# Altium PCB Rectifire_(PFC).PcbDoc (part 1 of 2)
Units mil, origin at the board's own origin, x right, y up, seen from the top; angles counter-clockwise.
Board outline 3547.43 x 2765.94 mil, 2 copper layers (Top Layer, Bottom Layer); 141 components, 87 nets, 386 pads, 71 vias.
Unrouted connection lines stored in the file: 1.
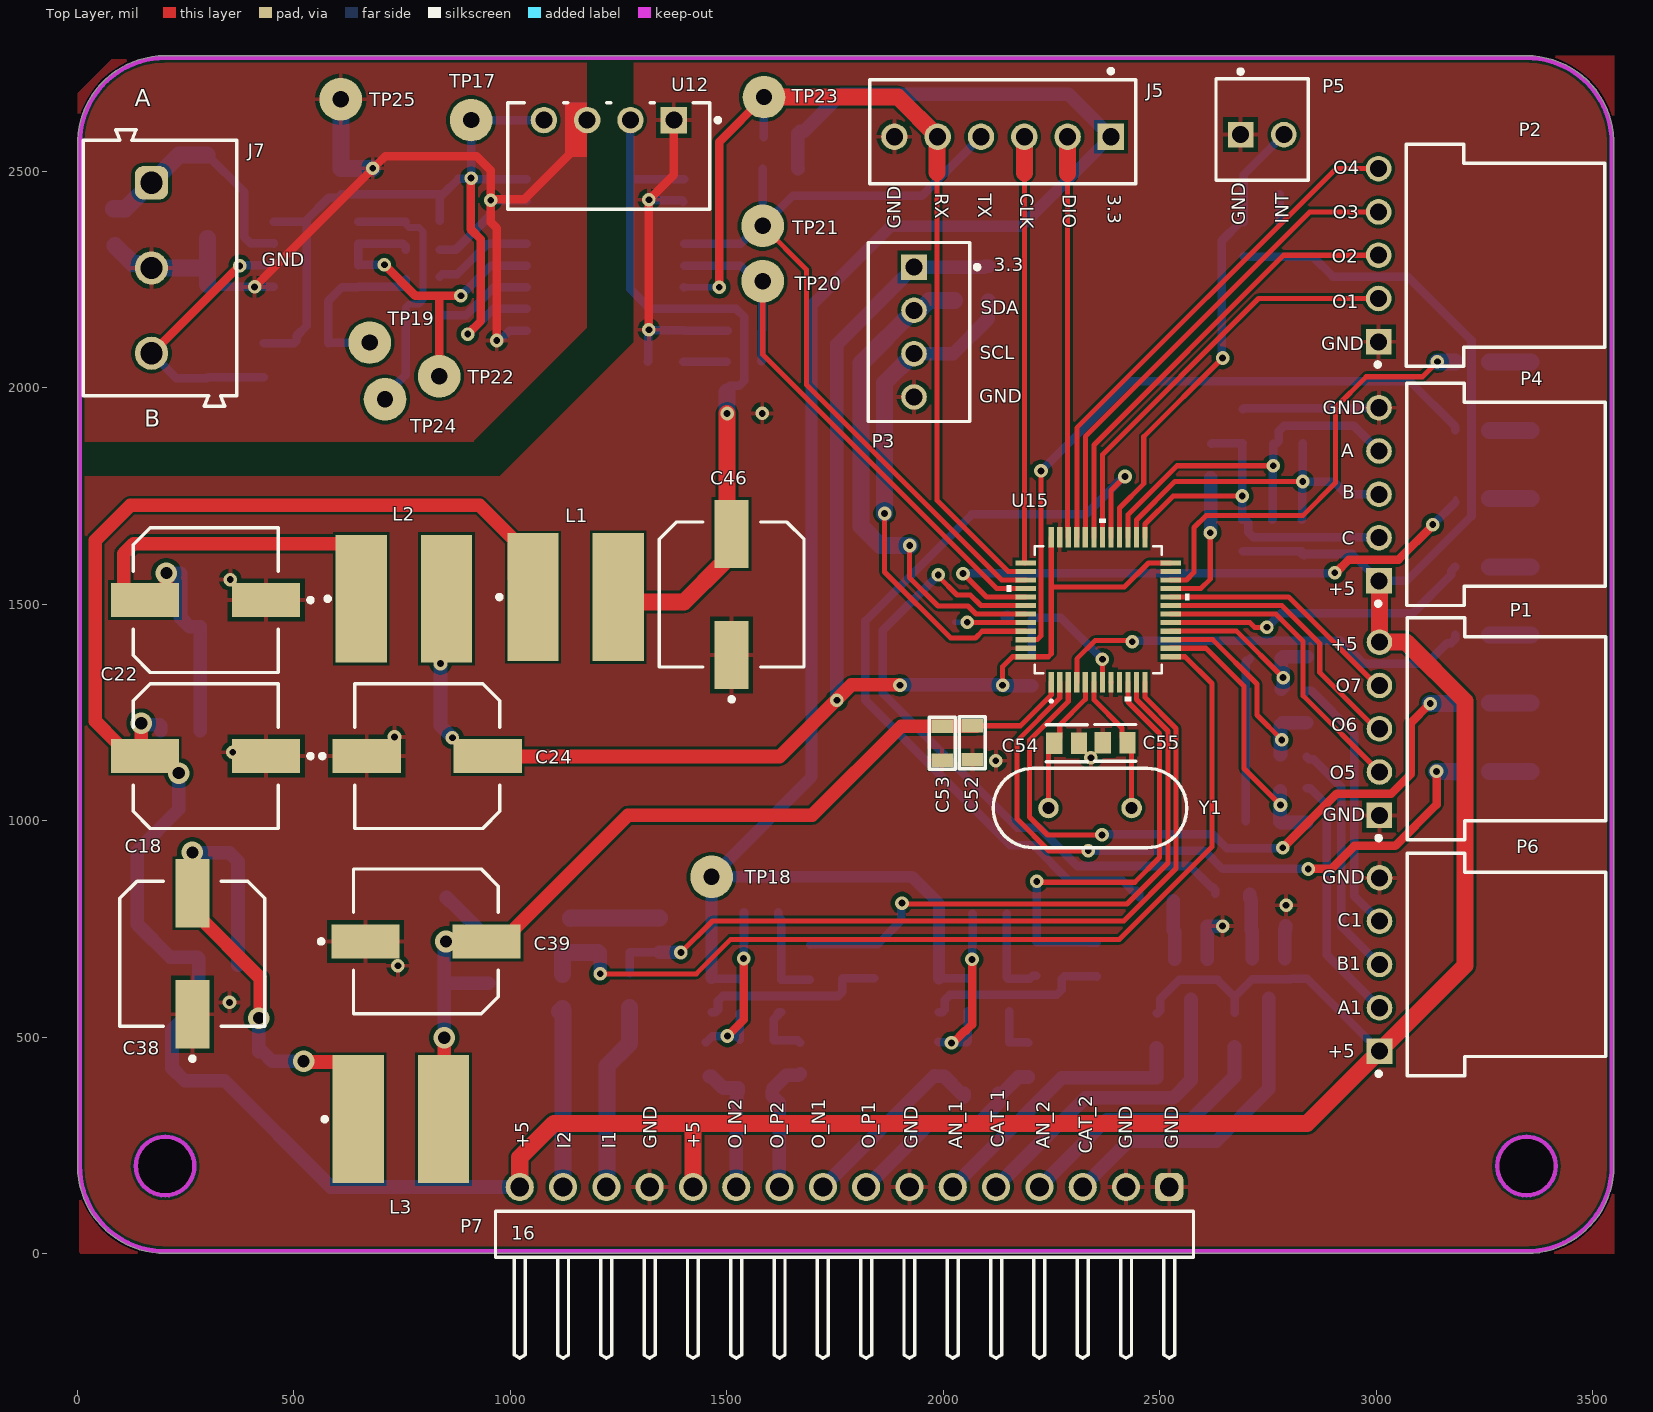
[diagram p0: Top Layer view]
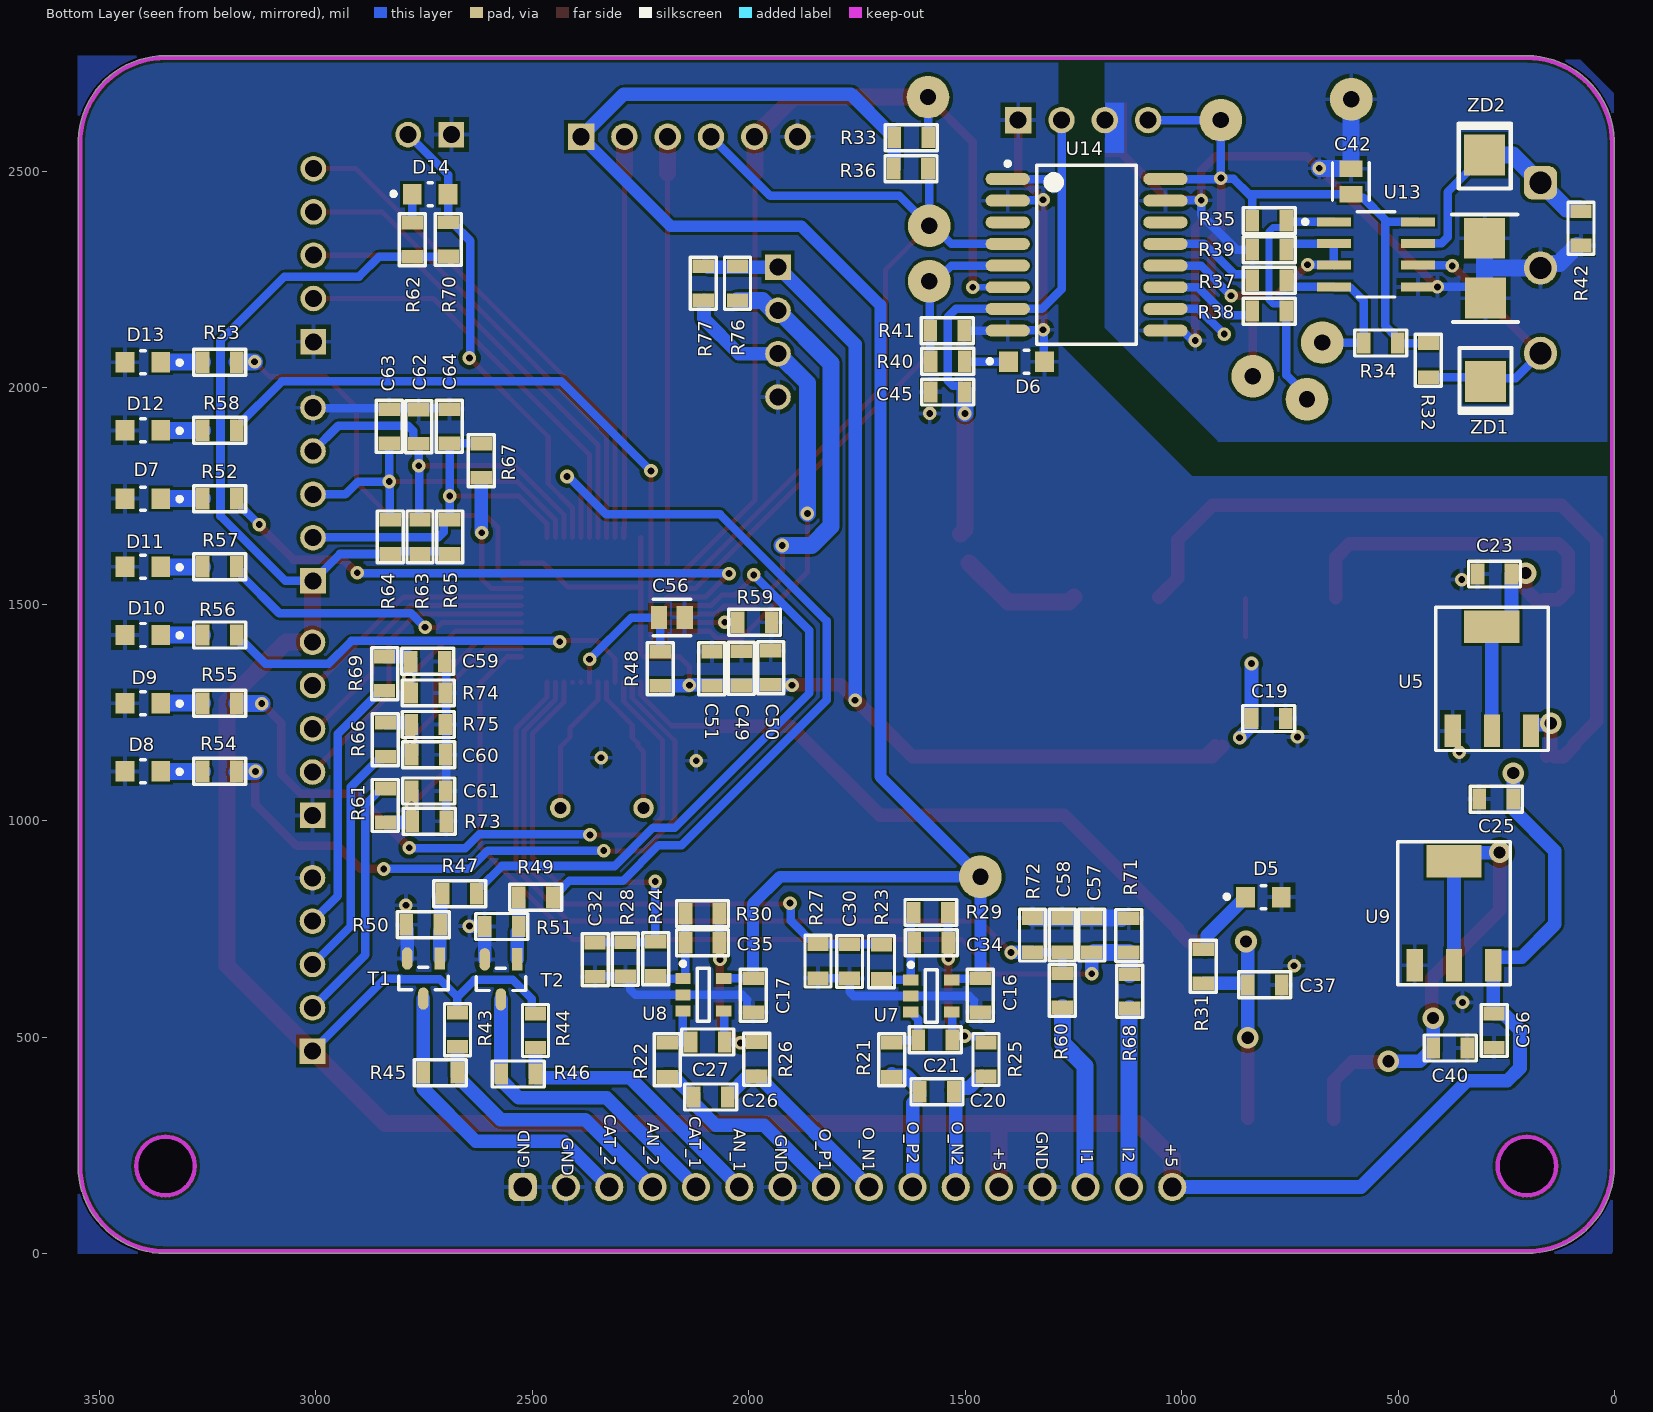
[diagram p1: Bottom Layer view, seen from below]
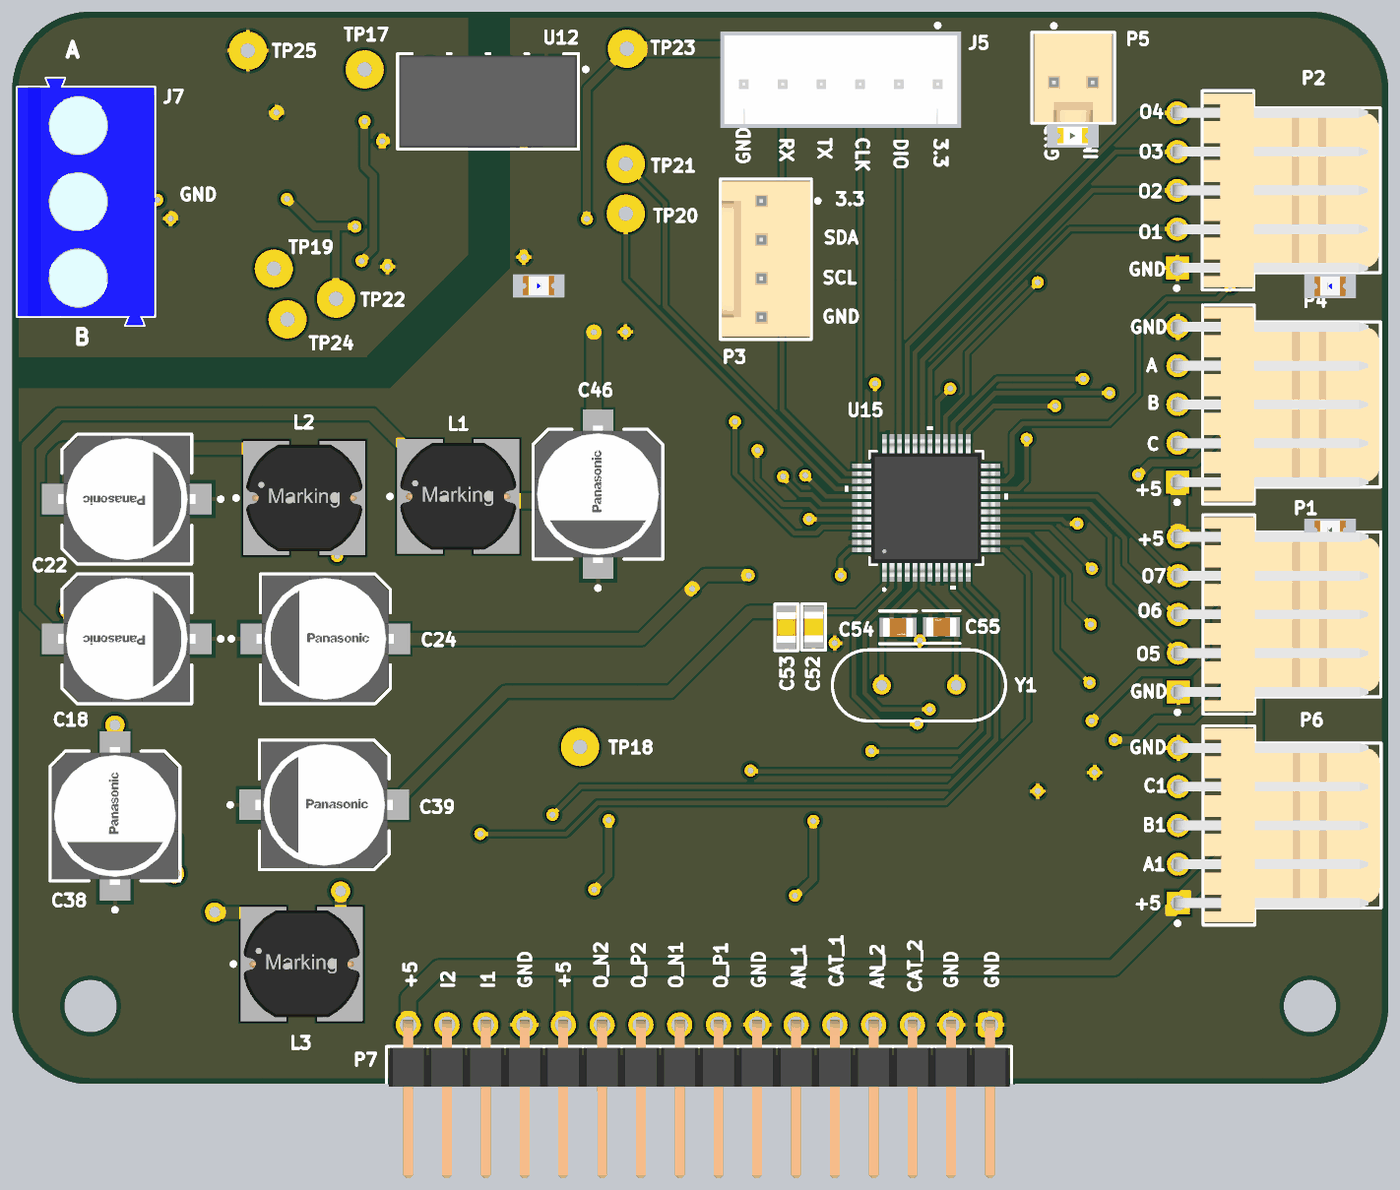
[diagram p3: 3D render of the assembled board from above, using the file's embedded part models]
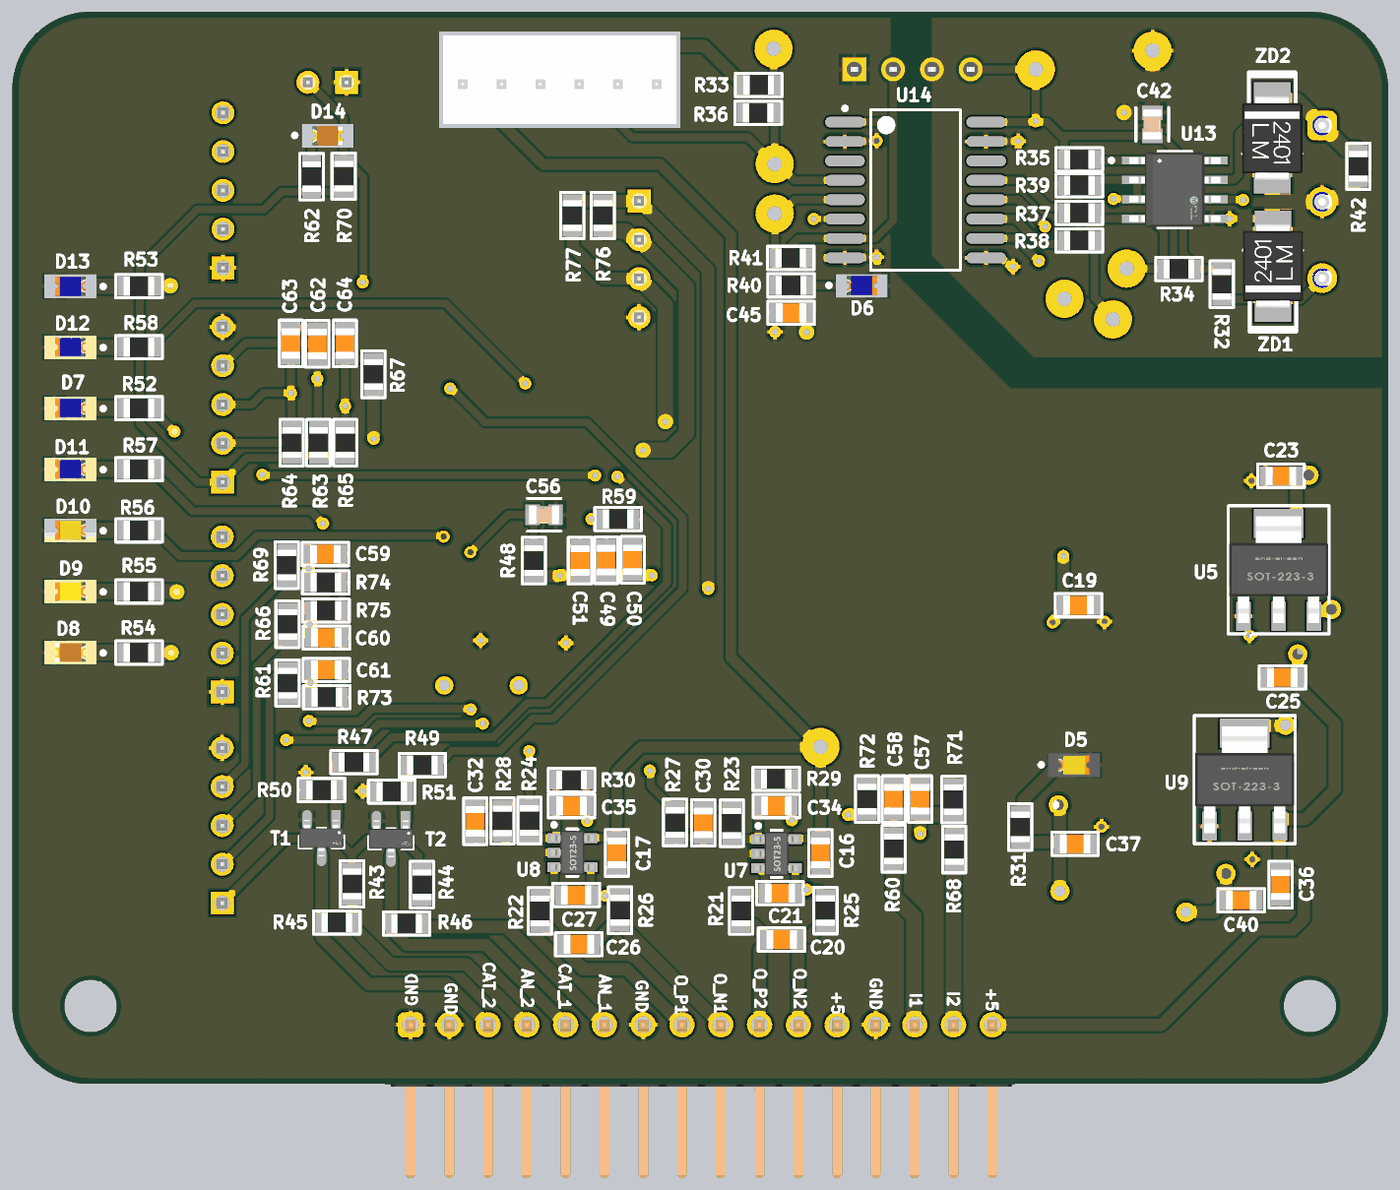
[diagram p4: 3D render of the assembled board from below, using the file's embedded part models]

## Layer stack, top to bottom
Top Solder: solder mask 0.4, Solder Resist, Dk 3.5
Top Layer: signal copper 1.4
Dielectric 1: dielectric 12.6, FR-4, Dk 4.8
Bottom Layer: signal copper 1.4
Bottom Solder: solder mask 0.4, Solder Resist, Dk 3.5

## Board outline
0.89,202.76 0.89,2564.86 0.89,2570.87 1.01,2571.96 cw(c202.76,2564.96) 202.76,2766.83 3346.46,2766.83 3346.51,2766.83 cw(c3346.46,2564.96) 3548.2,2571.97 3548.32,2570.87 3548.32,202.76 cw(c3346.46,202.76) 3346.5,0.89 3346.46,0.89 202.76,0.89 202.68,0.89 cw(c202.76,202.76)
cut-out: 3278.86,202.76 ccw(c3346.46,202.76) 3346.46,135.16 ccw(c3346.46,202.76) 3414.06,202.76 ccw(c3346.46,202.76) 3346.46,270.35 ccw(c3346.46,202.76)
cut-out: 202.76,135.16 cw(c202.76,202.76) 135.16,202.76 cw(c202.76,202.76) 202.76,270.35 cw(c202.76,202.76) 270.35,202.76 cw(c202.76,202.76)

## Design rules (kind name [scope] priority, off if disabled: settings)
Clearance [All] p1: gap=5.91 ignorepadtopadclearanceinfootprint=FALSE except(0: Via-Hole Fill-Hole Poly-Hole Region-Hole Text-Hole; 7.87: THPad-THPad THPad-Via THPad-Fill THPad-Poly THPad-Region THPad-Text THPad-Hole; 10: Via-Via Via-Fill Via-Poly Via-Region Via-Text Fill-Fill Fill-Poly Fill-Region Fill-Text Poly-Poly Poly-Region Poly-Text Region-Region Region-Text Text-Text)
DiffPairsRouting [All] p1: maxlimit=10 minlimit=7.87 mostfreqgap=10 toplayer_minwidth=15 toplayer_maxwidth=15 toplayer_prefwidth=15 bottomlayer_minwidth=15 bottomlayer_maxwidth=15 bottomlayer_prefwidth=15 maxuncoupledlength=500
PolygonConnect [All] p1: connectstyle=Relief reliefconductorwidth=10 reliefentries=4 polygonreliefangle="90 Angle" airgapwidth=10
RoutingVias [All] p1: holewidth=28 width=50 viastyle="Through Hole" minholewidth=28 minwidth=50 maxholewidth=28 maxwidth=50
SolderMaskExpansion [All] p1: expansion=4 istentingtop=FALSE
Width [All] p1: maxlimit=196.85 minlimit=7.87 preferedwidth=10
29 further rules are at their usual default settings.

## Components (designator, comment, footprint, x,y, rotation, side; value= is the part's Value field where it differs from the comment)
C16 "0.1uF" CAP-0805 1464.72,597.44 r90 bottom
C17 "0.1uF" CAP-0805 1989.33,597.44 r90 bottom
C18 "CAP-POLAR" SIZE_EEE 296.26,1149.61 r180 top locked
C19 "0.1uF" CAP-0805 799.21,1236.22 r0 bottom
C20 "0.1uF" CAP-0805 1564.96,374.02 r0 bottom
C21 "0.1uF" CAP-0805 1569.05,494.09 r0 bottom
C22 "CAP-POLAR" SIZE_EEE 296.26,1509.84 r180 top locked
C23 "0.1uF" CAP-0805 277.56,1569.88 r180 bottom
C24 "CAP-POLAR" SIZE_EEE 808.07,1149.61 r0 top locked
C25 "0.1uF" CAP-0805 273.62,1050.2 r180 bottom
C26 "0.1uF" CAP-0805 2087.75,362.2 r0 bottom
C27 "0.1uF" CAP-0805 2094.49,489.17 r0 bottom
C30 "1000pF" CAP-0805 1766.88,675.2 r90 bottom
C32 "1000pF" CAP-0805 2354.48,679.13 r90 bottom
C34 "0.1uF" CAP-0805 1577.91,718.5 r0 bottom
C35 "0.1uF" CAP-0805 2106.45,718.5 r0 bottom
C36 "0.1uF" CAP-0805 278.54,515.75 r90 bottom
C37 "0.1uF" CAP-0805 808.07,621.06 r0 bottom
C38 "CAP-POLAR" SIZE_EEE 265.75,692.91 r90 top locked
C39 "CAP-POLAR" SIZE_EEE 805.12,721.46 r0 top locked
C40 "0.1uF" CAP-0805 379.92,475.39 r0 bottom
C42 "C0805C224K5RACTU" FP-C0805C-DN-MFG 609.25,2476.38 r90 bottom value="0.22 μF"
C45 "0.1uF" CAP-0805 1540.35,1990.16 r180 bottom
C46 "CAP-POLAR" SIZE_EEE 1510.83,1522.64 r90 top
C49 "0.1uF" CAP-0805 2016.73,1352.36 r270 bottom
C50 "0.1uF" CAP-0805 1948.82,1353.35 r270 bottom
C51 "0.1uF" CAP-0805 2084.65,1351.38 r270 bottom
C52 "0.1uF" CAP-0805 2066.93,1180.12 r90 top
C53 "0.1uF" CAP-0805 1997.04,1179.13 r90 top
C54 "16pF" FP-GRM21B-0_1-IPC_C 2284.36,1179.13 r0 top
C55 "16pF" FP-GRM21B-0_1-IPC_C 2396.57,1180.12 r180 top
C56 "0.22 UF" FP-C0805C-DN-MFG 2177.17,1469.49 r180 bottom value="0.22 μF"
C57 "22pF" CAP-0805 1207.67,736.22 r270 bottom
C58 "22pF" CAP-0805 1275.59,736.22 r270 bottom
C59 "22pF" CAP-0805 2741.14,1368.11 r0 bottom
C60 "22pF" CAP-0805 2738.43,1152.56 r0 bottom
C61 "22pF" CAP-0805 2738.43,1068.9 r0 bottom
C62 "22pF" CAP-0805 2761.81,1910.43 r270 bottom
C63 "22pF" CAP-0805 2829.72,1911.42 r270 bottom
C64 "22pF" CAP-0805 2690.95,1911.42 r270 bottom
D5 "151031YS06000" LED_GREEN 811.02,823.82 r180 bottom
D6 "LED" LED_BLUE 1358.27,2060.04 r180 bottom
D7 "151031YS06000" LED_BLUE 3398.62,1744.09 r0 bottom
D8 "151031YS06000" LED_RED 3398.62,1114.17 r0 bottom
D9 "151031YS06000" LED_YELLOW 3398.62,1271.65 r0 bottom
D10 "151031YS06000" LED_GREEN 3398.62,1429.13 r0 bottom
D11 "151031YS06000" LED_BLUE 3398.62,1586.61 r0 bottom
D12 "151031YS06000" LED_BLUE 3398.62,1901.57 r0 bottom
D13 "151031YS06000" LED_BLUE 3398.62,2059.06 r0 bottom
D14 "151031YS06000" LED_RED 2735.24,2446.85 r180 bottom
J5 "SWR25X-NRTC-S06-ST-BA" Sullins_SWR25X-NRTC-S06-ST-BA_MFG 2136.81,2591.54 r180 top
J7 "" 691101710003 190.94,2276.57 r270 top
L1 "1000µH, 0.3A" WE-PD2_7850 1150.59,1516.73 r0 top
L2 "1000µH, 0.3A" WE-PD2_7850 753.94,1512.8 r0 top
L3 "1000µH, 0.3A" WE-PD2_7850 747.05,311.02 r0 top
P1 "61900511021" 61900511021 3300.2,1212.6 r90 top
P2 "61900511021" 61900511021 3298.23,2306.1 r90 top
P3 "61900411121" 61900411121 1943.9,2128.74 r90 top
P4 "61900511021" 61900511021 3299.21,1753.94 r90 top
P5 "61900211121" 61900211121 2736.22,2596.46 r180 top locked
P6 "61900511021" 61900511021 3300.38,668.31 r90 top
P7 "61301611021" 61301611021 1771.65,45.28 r0 top locked
R21 "10K" RES-0805 1669.29,447.83 r90 bottom
R22 "10K" RES-0805 2187.99,447.83 r90 bottom
R23 "1K" RES-0805 1693.07,674.21 r270 bottom
R24 "1K" RES-0805 2214.72,681.1 r270 bottom
R25 "10K" RES-0805 1451.77,448.82 r90 bottom
R26 "10K" RES-0805 1981.3,449.8 r90 bottom
R27 "47K" RES-0805 1839.72,676.18 r270 bottom
R28 "47K" RES-0805 2284.6,680.12 r270 bottom
R29 "10K" RES-0805 1578.89,788.39 r0 bottom
R30 "10K" RES-0805 2106.45,785.43 r0 bottom
R31 "220" RES-0805 949.8,664.37 r270 bottom
R32 "10K" RES-0805 430.12,2063.98 r90 bottom
R33 "10K" RES-0805 1624.02,2577.76 r0 bottom
R34 "10K" RES-0805 540.35,2103.35 r180 bottom
R35 "10K" RES-0805 797.24,2385.83 r0 bottom
R36 "10K" RES-0805 1625,2505.91 r0 bottom
R37 "100" RES-0805 797.24,2248.03 r0 bottom
R38 "100" RES-0805 797.24,2177.17 r0 bottom
R39 "10K" RES-0805 797.24,2318.9 r180 bottom
R40 "220" RES-0805 1540.35,2061.02 r0 bottom
R41 "10K" RES-0805 1541.34,2131.89 r0 bottom
R42 "10K" RES-0805 77.76,2368.11 r90 bottom
R43 "1K" RES-0805 2672.24,517.72 r90 bottom
R44 "1K" RES-0805 2492.13,515.75 r90 bottom
R45 "1K" RES-0805 2711.61,418.31 r180 bottom
R46 "1K" RES-0805 2531.5,415.35 r180 bottom
R47 "1K" RES-0805 2667.32,831.69 r0 bottom
R48 "10K" RES-0805 2203.74,1351.38 r270 bottom
R49 "1K" RES-0805 2491.14,823.82 r0 bottom
R50 "10K" RES-0805 2750.98,759.84 r180 bottom
R51 "10K" RES-0805 2569.88,755.91 r180 bottom
R52 "220" RES-0805 3221.46,1744.09 r180 bottom
R53 "220" RES-0805 3221.46,2059.06 r180 bottom
R54 "220" RES-0805 3221.46,1114.17 r180 bottom
R55 "220" RES-0805 3221.46,1271.65 r180 bottom
R56 "220" RES-0805 3221.46,1429.13 r180 bottom
R57 "220" RES-0805 3221.46,1586.61 r180 bottom
R58 "220" RES-0805 3221.46,1901.57 r180 bottom
R59 "1K" RES-0805 1986.22,1458.66 r0 bottom
R60 "10K" RES-0805 1275.59,608.27 r90 bottom
R61 "100" RES-0805 2838.58,1035.43 r270 bottom
R62 "220" RES-0805 2776.57,2341.54 r270 bottom
R63 "220K" RES-0805 2758.86,1655.51 r270 bottom
R64 "220K" RES-0805 2827.76,1655.51 r270 bottom
R65 "220K" RES-0805 2689.96,1655.51 r270 bottom
R66 "100" RES-0805 2838.58,1187.01 r90 bottom
R67 "20K" RES-0805 2617.13,1831.69 r270 bottom
R68 "10K" RES-0805 1120.08,606.3 r90 bottom
R69 "100" RES-0805 2840.55,1339.57 r90 bottom
R70 "10K" RES-0805 2693.89,2342.52 r90 bottom
R71 "22K" RES-0805 1122.05,735.24 r270 bottom
R72 "22K" RES-0805 1344.48,736.22 r270 bottom
R73 "220K" RES-0805 2737.45,999.02 r0 bottom
R74 "220K" RES-0805 2740.16,1295.28 r0 bottom
R75 "220K" RES-0805 2739.42,1222.44 r0 bottom
R76 "10K" RES-0805 2025.58,2241.14 r90 bottom
R77 "10K" RES-0805 2104.33,2241.14 r90 bottom
T1 "BC847C" SOT23-3_IPC_A 2750.98,635.83 r270 bottom
T2 "BC847C" SOT23-3_IPC_A 2571.85,633.86 r270 bottom
TP17 "Test_Point_PCB" Test_Point 909.45,2618.11 r90 top
TP18 "" Test_Point 1464.81,870.82 r90 top
TP19 "Test_Point_PCB" Test_Point 675.2,2104.33 r90 top
TP20 "Test_Point_PCB" Test_Point 1582.68,2246.06 r90 top
TP21 "Test_Point_PCB" Test_Point 1582.68,2374.02 r90 top
TP22 "Test_Point_PCB" Test_Point 835.63,2026.57 r90 top
TP23 "Test_Point_PCB" Test_Point 1585.63,2671.26 r90 top
TP24 "" Test_Point 710.63,1973.43 r90 top
TP25 "Test_Point_PCB" Test_Point 608.27,2666.34 r90 top
U5 "AMS1117-3v3" SOT-223-3 283.46,1327.76 r180 bottom
U7 "" SOT-23-5 1577.91,595.47 r180 bottom
U8 "" SOT-23-5 2104.33,598.15 r180 bottom
U9 "AMS1117-3v3" SOT-223-3 371.06,786.42 r180 bottom
U12 "B0505S-1W" B0505S-1W 1227.36,2535.43 r180 top
U13 "MAX485" SOIC-8-MFG 551.18,2308.07 r180 bottom
U14 "ADUM1401BRWZ" ADI-RW-16_M 1219.49,2307.09 r180 bottom
U15 "STM32F303CCT6" LQFP48-7x7mm 2357.28,1487.2 r90 top locked
Y1 "FOXSLF/120-20" FOX-FOXSLF-2_V 2338.58,1029.53 r180 top
ZD1 "P6SMB16CA" DO-214AA 298.23,2191.93 r270 bottom
ZD2 "P6SMB16CA" DO-214AA 300.2,2360.24 r90 bottom

## Footprints (in the part's own frame and the unit in brackets; to place one, negate y for a bottom-side part, rotate by r counter-clockwise, add the part's x,y. Pads: shape width x height; smd on the part's side, far side on the other; paste and mask are expansions set on the pad)
61301611021 [mm] "Pin Header, pitch 2.54 mm, THT, Angled, single row, 16p"
  rrect50% 1.65x1.65 hole 1.1: 1(19.05,2.77)
  round 1.65 hole 1.1: 2(16.51,2.77) 3(13.97,2.77) 4(11.43,2.77) 5(8.89,2.77) 6(6.35,2.77) 7(3.81,2.77) 8(1.27,2.77) 9(-1.27,2.77) 10(-3.81,2.77) 11(-6.35,2.77) 12(-8.89,2.77) 13(-11.43,2.77) 14(-13.97,2.77) 15(-16.51,2.77) 16(-19.05,2.77)
  silkscreen extent -20.47,-7.27 20.47,1.35, body extent -20.32,-7.27 20.32,3.09, height 2.58
61900211121 [mm] "2.54mm Male Locking Header, 2p"
  rect 1.5x1.5 hole 1: 1(1.27,0.3)
  round 1.5 hole 1: 2(-1.27,0.3)
  silkscreen extent -2.71,-3.52 2.71,2.98, body extent -2.54,-2.9 2.54,2.9, height 11.53
61900411121 [mm] "2.54mm Male Locking Header, 4p"
  rect 1.5x1.5 hole 1: 1(3.81,0.3)
  round 1.5 hole 1: 2(1.27,0.3) 3(-1.27,0.3) 4(-3.81,0.3)
  silkscreen extent -5.25,-3.52 5.25,2.98, body extent -5.08,-2.9 5.08,2.9, height 11.53
61900511021 [mm] "2.54mm Male Left Angled Header Bottom Locking, 5p"
  rect 1.5x1.5 hole 1: 1(-5.08,7.45)
  round 1.5 hole 1: 2(-2.54,7.45) 3(0,7.45) 4(2.54,7.45) 5(5.08,7.45)
  silkscreen extent -6.53,-5.82 6.52,7.62, body extent -6.35,-5.75 6.35,7.77, height 5.83
691101710003 [mm] "5,00mm - modular - blue - Horizontal entry with pressure clamp - 12,6mm height - 03p"
  rrect50% 1.95x1.95 hole 1.3: 1(-5,-0.5)
  round 1.95 hole 1.3: 2(0,-0.5) 3(5,-0.5)
  silkscreen extent -8.1,-4.5 8.1,4.5, body extent -8.1,-4.5 8.1,4.5, height 12.65
ADI-RW-16_M [mm] "SOIC, 16-Leads, Body 10.3x7.5mm, Pitch 1.27mm, IPC Low Density"
  oval 2.6x0.7 smd: 1(-4.625,4.445) 2(-4.625,3.175) 3(-4.625,1.905) 4(-4.625,0.635) 5(-4.625,-0.635) 6(-4.625,-1.905) 7(-4.625,-3.175) 8(-4.625,-4.445) 9(4.625,-4.445) 10(4.625,-3.175) 11(4.625,-1.905) 12(4.625,-0.635) 13(4.625,0.635) 14(4.625,1.905) 15(4.625,3.175) 16(4.625,4.445)
  silkscreen extent -4.75,-5.25 2.93,5.47, body extent -3.8,-5.25 3.8,5.25, height 2.65
B0505S-1W [mm]
  rect 1.55x1.55 hole 1 paste-2539.97 mask+0: 1(-3.81,-2.1)
  round 1.55 hole 1 paste-2539.97 mask+0: 2(-1.27,-2.1) 3(1.27,-2.1) 4(3.81,-2.1)
  silkscreen extent -6.53,-3.13 5.92,3.13, body extent -6.02,-3.22 6.02,3.22, height 0.25
CAP-0805 [mm]
  rect 0.8x1.25 smd mask+0.015: 1(-1,0) 2(1,0)
  silkscreen extent -1.52,-0.76 1.52,0.76, body extent -1,-0.62 1,0.63, height 0.8
DO-214AA [mm]
  rect 2.4x2.4 smd: 1(-0.381,0) 2(4.5,0)
  silkscreen extent 1.02,-1.91 6.35,1.9, body extent -0.75,-1.97 4.85,1.97, height 2.65
FOX-FOXSLF-2_V [mm] "THD, 2-Leads, Body 11.35x4.65mm, Pitch 4.88mm"
  round 1.2 hole 0.7: 1(-2.44,0) 2(2.44,0)
  silkscreen extent -5.68,-2.32 5.68,2.32, body extent -5.67,-2.32 5.68,2.32, height 3.6
FP-C0805C-DN-MFG [mm]
  rect 0.95x1.35 smd paste+0 mask+0: 1(-0.75,0) 2(0.75,0)
  silkscreen extent -1.1,-1.07 1.1,1.07, body extent -1,-0.63 1,0.63, height 0.88
FP-GRM21B-0_1-IPC_C [mil]
  rect 37.71x49.69 smd paste+0 mask+0: 1(-28.63,0) 2(28.63,0)
  silkscreen extent -47,-42 47,42, body extent -39,-25 39,25, height 53
LED_BLUE [mm]
  rect 1.1x1.2 smd paste+0 mask+0: 1(-1.05,0) 2(1.05,0)
  silkscreen extent -2.28,-0.67 0.13,0.67, body extent -1,-0.63 1,0.63, height 0.8
LED_GREEN [mm]
  rect 1.1x1.2 smd paste+0 mask+0: 1(-1.05,0) 2(1.05,0)
  silkscreen extent -2.28,-0.67 0.13,0.67, body extent -1,-0.63 1,0.63, height 0.8
LED_RED [mm]
  rect 1.1x1.2 smd paste+0 mask+0: 1(-1.05,0) 2(1.05,0)
  silkscreen extent -2.27,-0.67 0.13,0.67, body extent -1,-0.63 1,0.63, height 0.8
LED_YELLOW [mm]
  rect 1.1x1.2 smd paste+0 mask+0: 1(-1.05,0) 2(1.05,0)
  silkscreen extent -2.27,-0.67 0.13,0.67, body extent -1,-0.63 1,0.63, height 0.8
LQFP48-7x7mm [mil]
  rect 47x12 smd paste+0 mask+0: 1(-167.32,108.27) 2(-167.32,88.58) 3(-167.32,68.9) 4(-167.32,49.21) 5(-167.32,29.53) 6(-167.32,9.84) 7(-167.32,-9.84) 8(-167.32,-29.53) 9(-167.32,-49.21) 10(-167.32,-68.9) 11(-167.32,-88.58) 12(-167.32,-108.27) 25(167.32,-108.27) 26(167.32,-88.58) 27(167.32,-68.9) 28(167.32,-49.21) 29(167.32,-29.53) 30(167.32,-9.84) 31(167.32,9.84) 32(167.32,29.53) 33(167.32,49.21) 34(167.32,68.9) 35(167.32,88.58) 36(167.32,108.27)
  rect 12x47 smd paste+0 mask+0: 13(-108.27,-167.32) 14(-88.58,-167.32) 15(-68.9,-167.32) 16(-49.21,-167.32) 17(-29.53,-167.32) 18(-9.84,-167.32) 19(9.84,-167.32) 20(29.53,-167.32) 21(49.21,-167.32) 22(68.9,-167.32) 23(88.58,-167.32) 24(108.27,-167.32) 37(108.27,167.32) 38(88.58,167.32) 39(68.9,167.32) 40(49.21,167.32) 41(29.53,167.32) 42(9.84,167.32) 43(-9.84,167.32) 44(-29.53,167.32) 45(-49.21,167.32) 46(-68.9,167.32) 47(-88.58,167.32) 48(-108.27,167.32)
  silkscreen extent -214,-211 211,211, body extent -177,-177 177,177, height 63
RES-0805 [mm]
  rect 0.8x1.25 smd mask+0.015: 1(-1,0) 2(1,0)
  silkscreen extent -1.52,-0.76 1.52,0.76, body extent -1,-0.62 1,0.63, height 0.6
SIZE_EEE [mm]
  rect 4x2 smd paste+0 mask+0: 1(3.55,0) 2(-3.55,0)
  silkscreen extent -6.28,-4.25 4.25,4.25, body extent -5.8,-4.5 5.8,4.5, height 0.25
SOIC-8-MFG [mm]
  rect 1.98x0.53 smd paste+0 mask+0: 1(-2.465,1.905) 2(-2.465,0.635) 3(-2.465,-0.635) 4(-2.465,-1.905) 5(2.465,-1.905) 6(2.465,-0.635) 7(2.465,0.635) 8(2.465,1.905)
  silkscreen extent -4.28,-2.5 1.1,2.5, body extent -3,-2.45 3,2.45, height 1.75
SOT23-3_IPC_A [mm]
  rect 1.308x0.616 smd paste+0 mask+0: 1(-1.175,0.95)
  rrect100% 1.308x0.616 smd paste+0 mask+0: 2(-1.175,-0.95) 3(1.175,0)
  silkscreen extent -0.65,-1.45 0.65,1.45, body extent -1.2,-1.45 1.2,1.45, height 1.1
SOT-23-5 [mm]
  rect 0.9x0.65 smd: 1(-1.2,0.95) 2(-1.2,0) 3(-1.2,-0.95) 4(1.2,-0.95) 5(1.2,0.95)
  silkscreen extent -1.33,-1.55 0.35,1.95, body extent -1.4,-1.45 1.4,1.45, height 1.24
SOT-223-3 [mm]
  rect 0.95x1.9 smd: 1(-2.3,-3.05) 2(0,-3.05) 3(2.3,-3.05)
  rect 3.25x1.9 smd: 2(0,3.05)
  silkscreen extent -3.3,-4.2 3.3,4.2, body extent -3.25,-3.5 3.25,3.5, height 1.7
Sullins_SWR25X-NRTC-S06-ST-BA_MFG [mm]
  rect 1.55x1.55 hole 1 paste-2539.97 mask+0: 1(-6.35,0.3)
  round 1.55 hole 1 paste-2539.97 mask+0: 2(-3.81,0.3) 3(-1.27,0.3) 4(1.27,0.3) 5(3.81,0.3) 6(6.35,0.3)
  silkscreen extent -7.8,-3.67 7.8,3.05, body extent -7.9,-3.15 7.9,3.15, height 0.25
Test_Point [mm]
  round 2.5 hole 0.95: 1(0,0)
WE-PD2_7850 [mm] "SMD Power Inductor, 2-Leads, body 7.8x7mm"
  rect 3x7.5 smd: 1(-2.5,0) 2(2.5,0)
  silkscreen extent -4.59,-0.12 -4.34,0.12, body extent -3.81,-3.5 3.81,3.5, height 4.95

## Part data
C16 C17 C19 C20 C21 C23 C25 C26 C27 C30 C32 C34 C35 C36 C37 C40 C45 C49 C50 C51 C52 C53 C57 C58 C59 C60 C61 C62 C63 C64: library part CAP-NON-POLAR
C42: library part CMP-1036-04552-2, "CAP CER 0.22UF 50V X7R 0805", Capacitance="0.22 μF", Manufacturer=KEMET, Package=C0805C-DN, Temperature="-55°C to +125°C", Temperature Characteristic=X7R, Temperature Coefficient=30ppm/°C, Temperature Range High=+125°C, Temperature Range Low=-55°C, Tolerance=0.1, Voltage Rating="50 V", Automotive=No, Category=Cap, ComponentLink2Description=Datasheet, ComponentLink2URL=https://content.kemet.com/datasheets/KEM_C1003_C0G_SMD.pdf, Device Class L1="Passive Components", Device Class L2=Capacitors, Device Class L3="Ceramic Capacitors", Digikey Description="CAP CER 0.22UF 50V X7R 0805", Height=0.88mm, Ipc Land Pattern Name=CAPC200125X78, Lead Free=Yes, Manufacturer Part Number=C0805C224K5RACTU, Material=Ceramic, Mouser Description="CAP CER 0.22UF 50V X7R 0805", Octopart=https://octopart.com/c0805c224k5ractu-kemet-144670, RoHS=TRUE
C54 C55: library part CMP-2007-03453-2, "Chip Multilayer Ceramic Capacitors for General Purpose, 0805, 16pF, X5R, 15%, 10%, 16V", Capacitance=10uF, Case Code (Imperial)=0805, Case Code (Metric)=2012, Dielectric=X5R, Max Operating Temperature=85°C, Min Operating Temperature=-55°C, Package Quantity=1, Tolerance=10%, Voltage=16V, Case/Package=0805, Depth=1.25mm, Height=1.25mm, Lead Free="Lead Free", Length=2mm, Material=Ceramic, Mount="Surface Mount", Packaging="Tape and Reel", Radiation Hardening=No, REACH SVHC="No SVHC", Termination=SMD/SMT, Thickness=0.053inch, Voltage Rating=16V, Voltage Rating (DC)=16V, Width=1.25mm
C56: library part CMP-1036-04552-2, "CAP CER 0.22UF 50V X7R 0805", Capacitance="0.22 μF", Manufacturer=KEMET, Manufacturer Part Number=C0805C224K5RACTU, Package=C0805C-DN, Temperature="-55°C to +125°C", Temperature Characteristic=X7R, Temperature Coefficient=30ppm/°C, Temperature Range High=+125°C, Temperature Range Low=-55°C, Tolerance=0.1, Voltage Rating="50 V", Automotive=No, Category=Cap, ComponentLink2Description=Datasheet, ComponentLink2URL=https://content.kemet.com/datasheets/KEM_C1003_C0G_SMD.pdf, Device Class L1="Passive Components", Device Class L2=Capacitors, Device Class L3="Ceramic Capacitors", Digikey Description="CAP CER 0.22UF 50V X7R 0805", Height=0.88mm, Ipc Land Pattern Name=CAPC200125X78, Lead Free=Yes, Material=Ceramic, Mouser Description="CAP CER 0.22UF 50V X7R 0805", Octopart=https://octopart.com/c0805c224k5ractu-kemet-144670, RoHS=TRUE
D5 D7 D8 D9 D10 D11 D12 D13 D14: library part LED, "WURTH ELEKTRONIK - 151031YS06000 - LED, Yellow, Through Hole, T-1 (3mm), 30 mA, 2 V, 590 nm", Manufacturer_Name="Wurth Elektronik", Mouser Part Number=710-151031YS06000, Datasheet Link=https://katalog.we-online.de/led/datasheet/151031YS06000.pdf, Geometry.Height=5.5mm, Manufacturer_Part_Number=151031YS06000, Mouser Price/Stock=https://www.mouser.co.uk/ProductDetail/Wurth-Elektronik/151031YS06000?qs=LlUlMxKIyB3xSYYW%252BcuBiQ%3D%3D
D6: "WURTH ELEKTRONIK - 151031YS06000 - LED, Yellow, Through Hole, T-1 (3mm), 30 mA, 2 V, 590 nm", Manufacturer_Name="Wurth Elektronik", Manufacturer_Part_Number=151031YS06000, Mouser Part Number=710-151031YS06000, Datasheet Link=https://katalog.we-online.de/led/datasheet/151031YS06000.pdf, Geometry.Height=5.5mm, Mouser Price/Stock=https://www.mouser.co.uk/ProductDetail/Wurth-Elektronik/151031YS06000?qs=LlUlMxKIyB3xSYYW%252BcuBiQ%3D%3D
J7: library part 691101710003, "WR-TBL Series 101 Horizontal Entry Modular, Through Hole, pitch 5mm, 3p", Manufacturer="Wurth Elektronik", Operating Temperature Max=105°C, Operating Temperature Min=-40°C, Rated Current=16A, Working Voltage=250V, Application="Pressure Clamp", Category="Terminal Blocks", ComponentLink1Description="Manufacturer Link", ComponentLink1URL=https://www.we-online.com/redexpert/article/691101710003?ad, ComponentLink2Description=Datasheet, ComponentLink2URL=https://www.we-online.com/redexpert/spec/691101710003?ad, Manufacturer Part Number=691101710003, Match Code=WR-TBL, Modularity=Yes, Mount="Through Hole", Orientation=Horizontal, Packaging=Box, PCB/Cable/Panel=PCB, Pin Number=3, Pitch=5mm
L1 L2 L3: library part 74477530, "WE-PD2 SMT Power Inductor, size 7850, 1000µH, 0.3A, 3.3Ω", Case/Size Code=7850, DC Resistance=2.78Ω, DC Resistance Max=3.3Ω, Inductance=1000µH, Manufacturer="Wurth Elektronik", Operating Temperature Max=125°C, Operating Temperature Min=-40°C, Rated Current=0.3A, Self Resonant Frequency=2.4MHz, Category="Unshielded Power Inductors", ComponentLink1Description="Website Link", ComponentLink1URL=https://www.we-online.com/redexpert/article/74477530?ad, ComponentLink2Description="Datasheet Link", ComponentLink2URL=https://www.we-online.com/redexpert/spec/74477530?ad, Height=4.95mm, Length=7.8mm, Manufacturer Part Number=74477530, Match Code=WE-PD2, Mount="Surface Mount", Packaging="Tape and Reel", Saturation Current=0.3A, Width=7mm
  L2 L3: Simulation ModelName=7850_74477530_1m, Simulation ModelText=".subckt 7850_74477530_1m 1 2 / Rp 1 2 187304.915771 / Cp 1 2 4.36976277949p / Rs 1 N3 3.3 / L1 N3 2 1000u / .ends 7850_74477530_1m", Simulation PortMap=(1:1),(2:2)
P1 P2 P4 P6: "WR-WTB THT Male Left Angled Bottom Locking Header, pitch 2.54mm, 5p", Contact Resistance=20mOhm, Operating Temperature="-40 to +105degC", Rated Current=3A, Withstanding Voltage=1000VAC, Working Voltage=250VAC, ComponentLink1Description=Manufacturer, ComponentLink1URL=http://www.we-online.de, ComponentLink2Description=Datasheet, ComponentLink2URL=https://www.we-online.com/catalog/datasheet/61900511021.pdf, Gender=Male, Mounting Technology=THT, Packaging=Bag, Part Number=61900511021, Pin Number=5, Pitch=2.54mm, Published Date="January 2020", Publisher="Wurth Elektronik", Type="Right Angled Bottom Locking"
P3: "WR-WTB THT Male Vertical Locking Header, pitch 2.54mm, 4p", Contact Resistance=20mOhm, Operating Temperature="-40 to +105degC", Rated Current=3A, Withstanding Voltage=1000VAC, Working Voltage=250VAC, ComponentLink1Description=Manufacturer, ComponentLink1URL=http://www.we-online.de, ComponentLink2Description=Datasheet, ComponentLink2URL=https://www.we-online.com/catalog/datasheet/61900411121.pdf, Gender=Male, Mounting Technology=THT, Packaging=Bag, Part Number=61900411121, Pin Number=4, Pitch=2.54mm, Published Date="January 2020", Publisher="Wurth Elektronik", Type=Vertical
P5: "WR-WTB THT Male Vertical Locking Header, pitch 2.54mm, 2p", Contact Resistance=20mOhm, Operating Temperature="-40 to +105degC", Rated Current=3A, Withstanding Voltage=1000VAC, Working Voltage=250VAC, ComponentLink1Description=Manufacturer, ComponentLink1URL=http://www.we-online.de, ComponentLink2Description=Datasheet, ComponentLink2URL=https://www.we-online.com/catalog/datasheet/61900211121.pdf, Gender=Male, Mounting Technology=THT, Packaging=Bag, Part Number=61900211121, Pin Number=2, Pitch=2.54mm, Published Date="January 2020", Publisher="Wurth Elektronik", Type=Vertical
P7: "WR-PHD Pin Header, THT, Angled, pitch 2.54mm, 1 Row, 16P", Contact Resistance=20mΩ, Manufacturer="Wurth Elektronik", Operating Temperature Max=105°C, Operating Temperature Min=-40°C, Rated Current=3A, Withstanding Voltage=500V, Working Voltage=250V, Category="Board-to-Board Connectors", ComponentLink1Description="Website Link", ComponentLink1URL=https://www.we-online.com/redexpert/article/61301611021?ad, ComponentLink2Description="Datasheet Link", ComponentLink2URL=https://www.we-online.com/redexpert/spec/61301611021?ad, Gender="Pin Header", Manufacturer Part Number=61301611021, Match Code=WR-PHD, Mount="Through Hole", Number of Pins=16, Number of Rows=1, Orientation=Angled, Packaging=Bag, Pitch=2.54mm
R21 R22 R23 R24 R25 R26 R27 R28 R29 R30 R31 R32 R33 R34 R35 R36 R37 R38 R39 R40 R41 R42 R43 R44 R45 R46 R47 R48 R49 R50 R51 R52 R53 R54 R55 R56 R57 R58 R59 R60 R61 R62 R63 R64 R65 R66 R67 R68 R69 R70 R71 R72 R73 R74 R75 R76 R77: library part RES-CONST
TP17 TP18 TP19 TP20 TP21 TP22 TP23 TP24 TP25: library part TP_PCB?, "Test_Point"
U5 U9: library part AMS1117
U7 U8: library part MCP6001T, "IC OPAMP GP 1 CIRCUIT SOT23-5", Case/Package=SOT-23, Input Bias Current=1pA, Input Offset Voltage (Vos)=4.5mV, Max Operating Temperature=85°C, Max Supply Voltage=6V, Min Operating Temperature=-40°C, Min Supply Voltage=1.8V, Nominal Supply Current=100uA, Operating Supply Voltage=5.5V, Output Current=23mA, Package Quantity=1, Power Supply Rejection Ratio (PSRR)=86dB, Voltage Gain=112dB, Bandwidth=1MHz, Common Mode Rejection Ratio=60dB, Contact Plating=Tin, Gain Bandwidth Product=1MHz, Height=1.3mm, Lead Free="Lead Free", Length=3.1mm, Mount="Surface Mount", Number of Amplifiers=1, Number of Channels=1, Number of Circuits=1, Number of Elements=1, Number of Pins=5, Operating Supply Current=100uA, Output Current per Channel=23mA, Packaging="Tape and Reel", Radiation Hardening=No, REACH SVHC="No SVHC", Slew Rate=0.6V/µs, Unity Gain Bandwidth Product=1MHz, Voltage=6V, Width=1.8mm
U14: library part CMP-0534-00565-1, "Quad Channel Digital Isolator, 2.5 KV rms Insulation Rating, 10 Mbps Data Rate, 50 ns Delay, Industrial, 16-pin SOIC (RW-16), Tube", Manufacturer="Analog Devices", Max Operating Temp (degreesC)=125, Code_JEDEC=MS-013-AA, ComponentLink1Description="Manufacturer URL", ComponentLink1URL=http://www.analog.com/en/index.html, ComponentLink2Description=Datasheet, ComponentLink2URL=http://www.analog.com/static/imported-files/data_sheets/ADuM1400_1401_1402.pdf, ComponentLink3Description="Package Specification", ComponentLink3URL=http://www.analog.com/static/imported-files/packages/PKG_PDF/SOIC_WIDE%20%28RW%29/RW_16.pdf, ComponentLink4Description="URL Link1", ComponentLink4URL="Product URL:http://www.analog.com/en/interface-isolation/digital-isolators/adum1401/products/product.html", ComponentLink5Description="URL Link2", ComponentLink5URL="Reference Circuit:http://www.analog.com/en/interface-isolation/digital-isolators/adum1401/products/product.html#product-recommendations", DatasheetVersion="Rev. H", Max Data Rate=10Mbps, Mounting Technology="Surface Mount", PackageDescription="16-Pin Standard Small Outline Package, Body 10.3 x 7.5 mm, Pitch 1.27 mm", PackageReference=RW-16, PackageVersion="032707-B, 03/2007", PartNumber=ADUM1401BRWZ
U15: "No Description Available", Mfr_Name=STMicroelectronics, RefDes=RefDes, Type=Type
Y1: library part CMP-1749-00004-1, "Resistance Weld Thru-Hole Crystal, 12 MHz, +/-30 ppm, -20 to 70 degC, 2-Pin THD, RoHS, Bulk", Case\Package=TO-251-3, Input Capacitance="350 pF", Max Operating Temperature="150 degC", Max Power Dissipation="2.5 W", Min Operating Temperature="-55 degC", Package Quantity=70, ComponentLink1Description="Manufacturer URL", ComponentLink1URL=http://www.foxonline.com/, ComponentLink2Description=Datasheet, ComponentLink2URL=http://www.foxonline.com/pdfs/hc49slf.pdf, DatasheetVersion=Mar-15, Elements=1, Height="6.1 mm", Length="6.6 mm", Mount="Through Hole", PackageDescription="2-Pin Through Hole Device, Body 11.35 x 4.65 mm, Pitch 4.88 mm", PackageReference=FOXSLF-2, Packaging=Rail/Tube, Pins=3, Radiation Hardening=No, Rds On Max="115 mohm", REACH SVHC="No SVHC", RoHSCompliant=true, Typical Rise Time="90 ns", Width="2.3 mm"

## Via types
v1: diameter 31.5, hole 15.75, Top Layer to Bottom Layer, 63 vias
v2: diameter 50, hole 28, Top Layer to Bottom Layer, 8 vias

## Nets (pads, with @x,y where several pads share a name; then routed paths per layer and width w, separated by ;. In a path a pad name is that pad's centre, name@x,y a point inside that pad or via, vN(x,y) a via of type N, cw(c..) or ccw(c..) an arc to the next point about the centre after c; other vN are vias at no path point)
+3V3: C16.2 C17.2 J5.1 R33.2 R36.2 TP18.1 U7.5 U8.5 | length 4243.2
  Bottom Layer w19.68: C16.2@1464.65,636.89 C16.2@1464.73,636.81 1466.69,634.84 1528.7,634.84 U7.5@1530.66,632.87 ; C17.2@1989.96,636.18 2056.45,636.18 U8.5@2057.08,635.55
  Bottom Layer w27.56: C16.2@1464.65,636.89 TP18.1@1464.65,870.82 ; C17.2@1989.96,636.18 1989.96,808.27 1927.4,870.82 TP18.1@1464.81,870.82 1695.87,1101.89 1695.87,2190.94 1877.95,2373.03 2180.12,2373.03 J5.1@2386.81,2579.72
  Bottom Layer w31.5: R36.2@1664.37,2505.9 1663.88,2506.39 1663.88,2577.26 R33.2@1663.39,2577.75 1663.39,2586.61 1669.29,2592.51 1678.15,2592.51 1763.79,2678.15 2288.39,2678.15 J5.1@2386.81,2579.72
+3V3_MCU: C19.2 C24.1 C49.2 C50.2 C51.2 L2.2 P3.1 R48.2 R76.2 R77.2 U15.24 U15.36 U15.48 | length 3675.5
  Top Layer w11.81: L2.2@852.36,1424.21 L2.2@852.36,1512.8 ; v1(2136.81,1312.99) 2136.81,1356.3 2159.35,1378.84 2189.87,1378.84 U15.48@2189.96,1378.94 2242.19,1378.94 2249.11,1385.86 2249.11,1540.35 ; U15.36@2249.02,1654.53 2249.11,1654.43 2249.11,1540.35 ; U15.24@2524.61,1595.47 2524.51,1595.38 2473.33,1595.38 2418.31,1540.35 2249.11,1540.35
  Top Layer w31.5: C24.1@905.51,1172.24 929.13,1148.62 1622.05,1148.62 1787.4,1313.98 1898.62,1313.98 v1(1899.61,1312.99) ; C24.1@922.24,1173.23 945.87,1149.61 C24.1@947.83,1149.61
  Bottom Layer w31.5: C19.2@838.58,1227.36 v1(838.58,1363.19) ; C19.2@838.58,1236.21 838.58,1219.49 v1(866.14,1191.93) ; v1(1753.94,1278.54) 1753.94,2100.59 P3.1@1932.09,2278.74 2093.71,2278.74 2095.48,2280.51 R77.2@2104.34,2280.51 ; v1(1899.61,1312.99) 1900.59,1313.98 2135.83,1313.98 v1(2136.81,1312.99) 2137.8,1312.01 R48.2@2203.73,1312.01
+3V3_REF: C37.2 C39.1 C52.2 C53.2 L3.2 R31.2 U15.1 U15.9 | length 2095.4
  Top Layer w11.81: L3.2@845.47,311.02 L3.2@847.44,312.99 ; C52.2@2066.92,1219.49 2178.15,1219.49 2248.92,1290.26 2248.92,1319.79 U15.1@2249.02,1319.88 ; U15.9@2406.5,1319.88 U15.9@2406.59,1319.98
  Top Layer w31.5: L3.2@847.44,312.99 v2(847.44,499.02) ; C39.1@944.88,721.46 984.25,721.46 1007.87,745.08 1007.87,749.02 1271.65,1012.8 1696.85,1012.8 1902.56,1218.5 C53.2@1997.03,1218.5 C52.2@2075.79,1218.5
  Bottom Layer w31.5: v2(847.44,499.02) C37.2@847.44,621.06 C37.2@847.44,625 ; v2(851.38,721.46) 851.38,716.45 847.44,712.51 C37.2@847.44,625 ; R31.2@949.8,625 C37.2@847.44,625
+5: C18.1 C25.2 C36.2 L1.1 P1.5 P4.1 P6.1 P7.12 P7.16 R43.2 R44.2 R62.2 R63.2 R64.2 R65.2 R70.1 U5.3 U9.3 | length 9570.9
  Top Layer w31.5: C18.1@138.93,1147.64 119.09,1147.64 93.5,1173.23 93.5,1178.15 41.34,1230.31 41.34,1647.64 122.05,1728.35 929.13,1728.35 1008.86,1648.62 1008.86,1560.04 L1.1@1052.17,1516.73 ; v2(147.49,1225.39) 147.49,1158.62 C18.1@156.5,1149.61
  Top Layer w39.37: P7.16@1021.65,154.33 1021.65,222.44 1100.39,301.18 1419.68,301.18 ; P7.12@1421.65,154.33 1421.65,301.18 2839.95,301.18 P6.1@3007.07,468.31 3026.76,487.99 3204.72,665.96 3204.72,1276.57 3068.7,1412.6 P1.5@3006.89,1412.6 3006.89,1552.95 P4.1@3005.91,1553.94
  Bottom Layer w19.68: R44.2@2492.13,555.12 2494.37,555.12 2500.28,561.02 2500.28,588.86 2544.13,632.71 2633.04,632.71 2672.25,593.5 ; R43.2@2672.25,557.09 2672.25,593.5 ; R65.2@2690.94,1622.05 R64.2@2827.75,1622.05 ; R70.1@2693.9,2303.15 2694.39,2302.66 2853.84,2302.66 2899.61,2256.89 3071.85,2256.89 3219.49,2109.25 3219.49,1703.74 3069.69,1553.94 P4.1@3005.91,1553.94 2943.7,1616.14 R64.2@2827.75,1616.14 ; R64.2@2827.75,1619.09 R64.2@2833.66,1613.19 ; P6.1@3007.07,468.31 2840.54,634.84 2802.54,634.84 2802.38,634.68 2713.43,634.68 2672.25,593.5
  Bottom Layer w31.5: v2(147.49,1225.39) 151.03,1221.85 189.96,1221.85 192.91,1218.9 U5.3@192.91,1207.68 ; v2(234.25,1110.24) C25.2@234.25,1050.2 234.25,1026.57 138.78,931.1 138.78,760.83 214.57,685.04 277.56,685.04 280.51,682.09 U9.3@280.51,666.34 280.51,557.08 C36.2@278.55,555.12 256.89,555.12 218.5,516.73 218.5,429.13 248.03,399.61 340.55,399.61 585.83,154.33 P7.16@1021.65,154.33
+5V_ISO: C42.1 R32.2 R34.2 R35.2 TP17.1 U12.4 U13.8 U14.10 U14.16 | length 1902.1
  Top Layer w19.68: v1(901.57,2124.02) 932.09,2154.53 932.09,2342.52 908.46,2366.14 908.46,2483.27 v1(909.45,2484.25)
  Bottom Layer w19.68: R32.2@430.12,2103.35 R34.2@500.98,2103.35 506.89,2109.26 506.89,2120.08 529.53,2142.72 529.53,2387.8 ; U13.8@454.13,2383.07 524.8,2383.07 529.53,2387.8 ; C42.1@609.25,2438.98 580.71,2438.98 529.53,2387.8 ; C42.1@609.25,2446.85 836.61,2446.85 844.49,2446.85 ; R35.2@836.61,2385.82 836.61,2438.98 844.49,2446.85 ; v1@903.83,2121.76 v1(901.57,2124.02) 902.47,2124.02 960.54,2182.09 U14.10@1037.4,2182.09 ; U14.16@1037.4,2482.09 911.61,2482.09 v1(909.45,2484.25) ; U12.4@1077.36,2618.11 TP17.1@909.45,2618.11 v1(909.45,2484.25) ; 844.49,2446.85 879.92,2482.28 907.48,2482.28 v1(909.45,2484.25)
+5V_RS: C45.2 C46.1 L1.2 U12.2 U14.1 U14.7 | length 1621.5
  Top Layer w39.37: L1.2@1249.02,1516.73 1260.17,1505.58 1401.25,1505.58 C46.1@1491.48,1595.81 ; v1(1500.49,1940.45) 1500.49,1672.74 C46.1@1510.83,1662.4
  Bottom Layer w19.68: 1277.36,2481.1 1277.36,2227.56 1322.83,2182.09 U14.7@1401.57,2182.09 1521.65,2182.09 1540.35,2163.39 1540.35,2016.46 1528.82,2004.93 1506.89,2004.93 1500.98,1999.02 C45.2@1500.98,1990.16 C45.2@1500.49,1989.67 ; 1277.36,2482.09 U12.2@1277.36,2618.11 ; 1278.35,2482.09 U14.1@1401.57,2482.09
  Bottom Layer w39.37: v1(1500.49,1940.45) C45.2@1500.49,1989.67
GND_2: C42.2 J7.2 R39.1 R42.1 TP25.1 U12.3 U13.5 U14.9 U14.15 ZD1.1 ZD2.1 | length 2511.6
  Top Layer w19.68: v1(409.45,2233.07) 710.83,2534.45 922.24,2534.45 954.72,2501.97 v1(954.72,2433.07) ; v1(968.5,2109.25) 968.66,2109.41 968.66,2368.6 954.72,2382.53 v1(954.72,2433.07) ; 1151.34,2592.09 U12.3@1177.36,2618.11 ; 1151.34,2595.55 1135.83,2580.03 1135.83,2538.39 1032.77,2435.33 956.98,2435.33 v1(954.72,2433.07)
  Bottom Layer w19.68: R42.1@77.76,2328.74 R42.1@86.62,2328.74 ; J7.2@160.34,2287.51 J7.2@171.26,2276.58 ; ZD1.1@300.2,2238.19 305.31,2233.07 v1(409.45,2233.07) U13.5@454.13,2233.07 ; R39.1@836.61,2318.9 874.01,2318.9 954.72,2399.62 v1(954.72,2433.07) 955.22,2432.58 1036.91,2432.58 U14.15@1037.4,2432.09 ; v1(968.5,2109.25) 970.76,2111.51 977.29,2111.51 997.87,2132.09 U14.9@1037.4,2132.09
  Bottom Layer w39.37: R42.1@86.62,2328.74 127.85,2287.51 J7.2@160.34,2287.51 ; J7.2@171.26,2276.58 300.2,2276.58 ; ZD1.1@300.2,2238.19 300.2,2276.58 ; ZD2.1@300.2,2345.24 300.2,2292.32 300.2,2276.58 ; TP25.1@608.27,2683.07 TP25.1@608.27,2666.34 608.76,2665.85 608.76,2506.4 C42.2@609.25,2505.91 609.74,2506.4 681.59,2506.4 v1(682.09,2506.89)